# KiCad board CPU.kicad_pcb (continued)
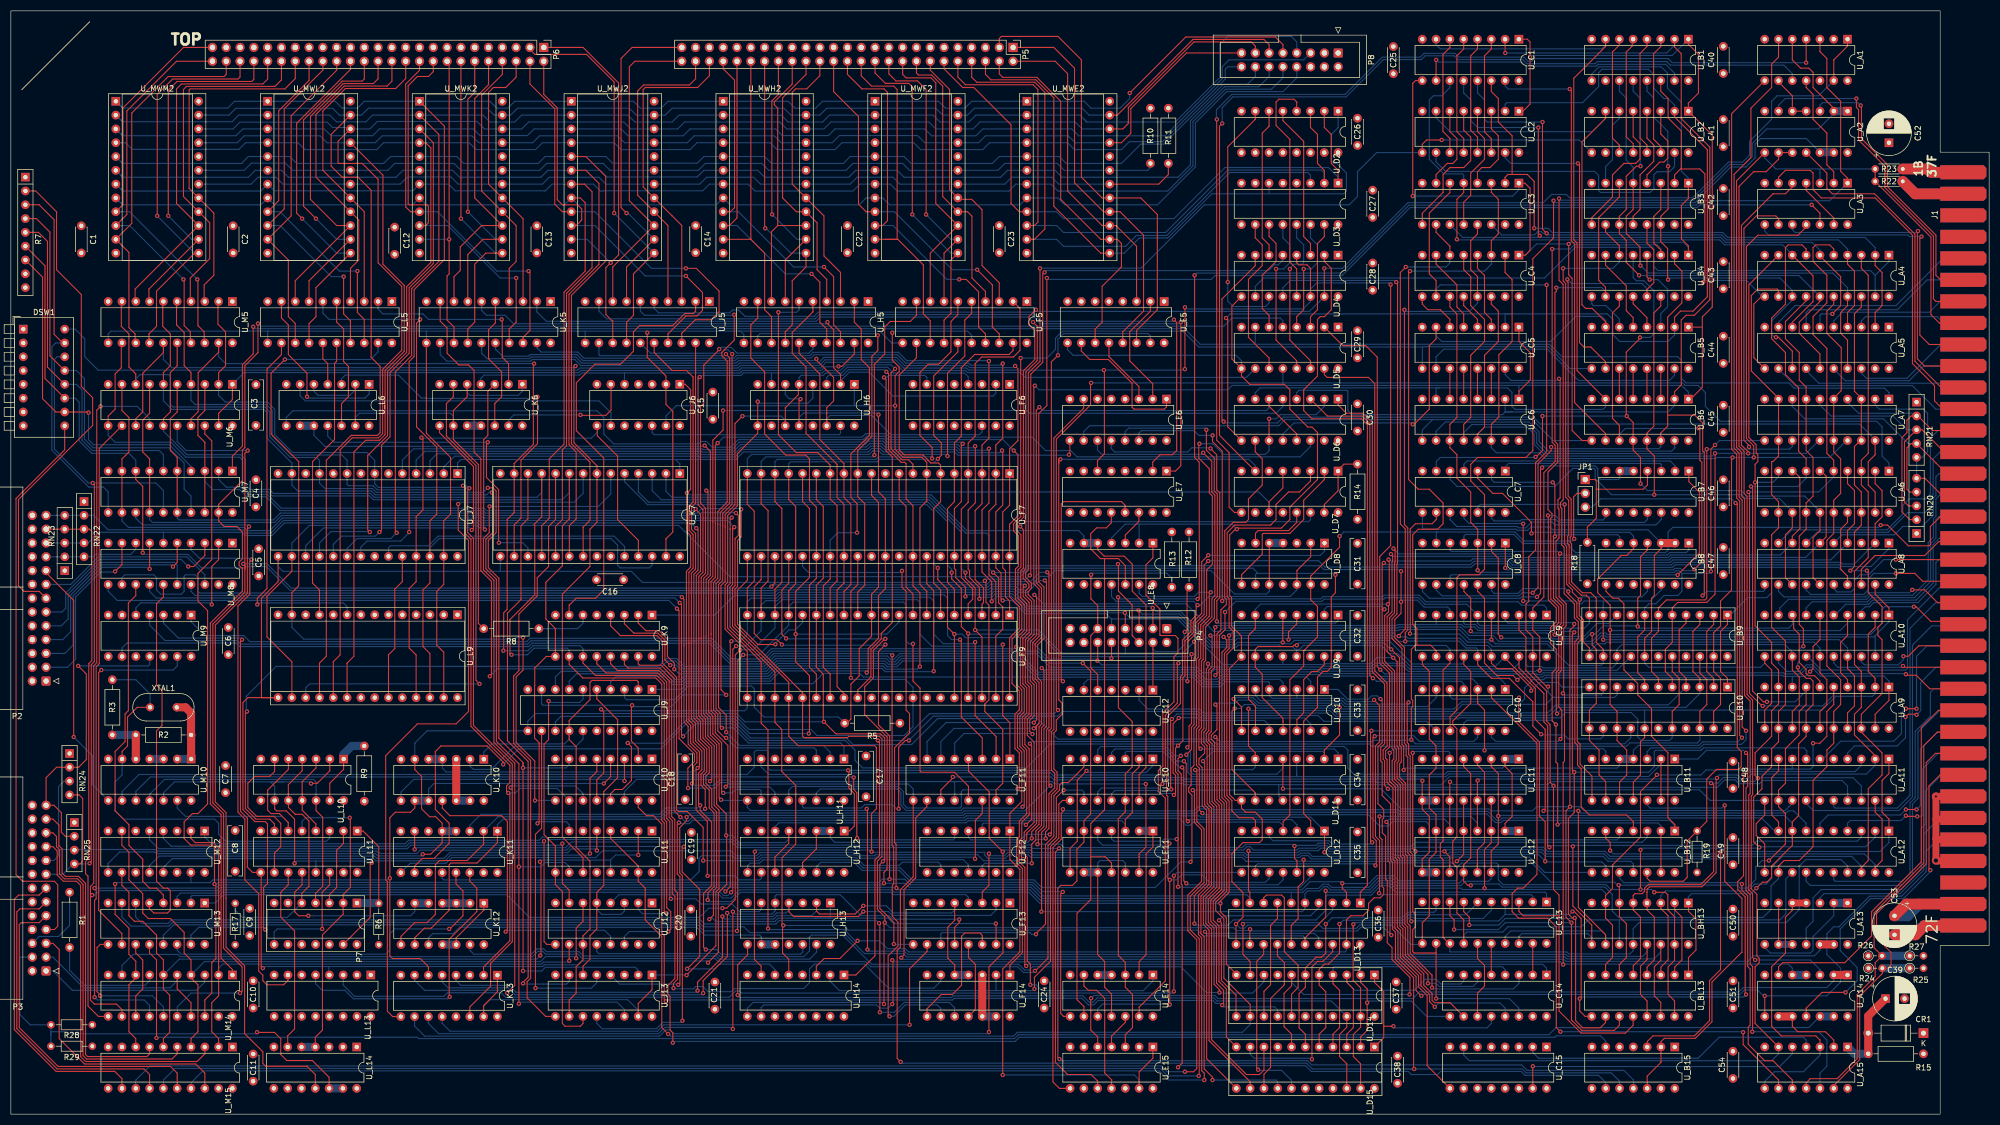
[diagram p0: board, top side]
## Routing (per net, layer and track width the routed paths; a pad name or vN(x,y) marks a point on that pad's centre or on a via; arc(x,y) is an arc through that point) (continued)
MW.A6_{2}: length 158.3
  Top w0.2: v1(184.79,137.66) 185.3,137.15 185.3,123.94 183.77,122.41 U_F7.1 183.77,112.07 183.77,112.06 182.5,110.8 182.5,100.51 183.01,100 183.01,95.17 183.77,94.42 U_F9.1
  Bottom w0.2: v1(184.79,137.66) 184.49,137.36 176.41,137.36 176.03,137.74 164.47,137.74 162.96,139.24 149.61,139.24 148.58,138.21 134.07,138.21 133.59,137.73 104.88,137.73 103.76,138.85 95.96,138.85 95.66,138.55 80.19,138.55 78.99,139.75 U_K5.12
MW.A6_{3}: length 111.7
  Top w0.2: 150.12,126.8 150.12,129.97 151.39,131.24 151.39,135.56 148.21,138.74 v1(148.21,138.97)
  Bottom w0.2: U_H6.14 150.11,127.94 150.73,128.56 158.39,128.56 161.93,125.02 178.18,125.02 178.69,125.52 178.69,126.66 ; v1(148.21,138.97) 147.91,138.67 133.88,138.67 133.41,138.19 105.06,138.19 103.95,139.31 95.77,139.31 95.47,139.01 87.61,139.01 86.61,140.01 U_K5.15
MW.A6_{4}: length 111.1
  Top w0.2: v1(150.24,145.73) 150.24,145.47 151.39,144.32 151.39,137.34 152.66,136.07 152.66,134.42
  Bottom w0.2: v1(150.24,145.73) 149.94,145.43 92.49,145.43 90.94,146.99 87.51,146.99 86.61,147.88 U_K5.6 ; 152.65,134.9 154.27,136.52 157.92,136.52 162.31,132.13 180.72,132.13 181.23,132.63 181.23,133.78
MW.A6_{5}: length 232.5
  Top w0.2: v1(88.13,80.57) 88.43,80.87 88.43,98.03 86.47,99.99 86.47,120.59 85.22,121.84 85.22,136.83 84.2,137.85 82.43,137.85 80.27,140.01 80.27,144.64 78.99,145.91 U_K5.9
  Bottom w0.2: U_D10.2 239.17,79.66 238.37,80.46 223.03,80.46 222.13,79.55 219.65,79.55 217.89,81.31 189.01,81.31 186.04,84.29 163.74,84.29 162.68,83.23 161.68,83.23 161.08,83.83 140.71,83.83 138.81,81.94 123.74,81.94 122.31,83.36 121.65,83.36 121.65,83.37 120.79,83.37 119.36,81.94 89.5,81.94 v1(88.13,80.57)
MW.A6_{6}: length 24.9
  Top w0.2: U_K5.5 89.15,145.59 87.89,144.33 87.89,138.98 90.3,136.58 90.3,132 89.03,130.73 89.03,130.73 U_K6.12
MW.A6_{7}: length 315.8
  Top w0.2: v1(186.82,27.27) 186.57,27.53 186.57,45.39 185.51,46.44 185.51,50.3 186,50.79 186,53.71 187.37,55.07 187.37,67.22 186.57,68.02 186.57,72.84 187.37,73.64 187.37,78.65 186.66,79.36 186.66,87.3 187.82,88.46 187.82,94.34 186.72,95.44 186.72,96.32 187.32,96.92 187.32,97.54 186.27,98.6 186.27,99.81 186.76,100.3 186.76,136.57 188.85,138.66 188.85,144.97 v1(188.09,145.73)
  Bottom w0.2: v1(186.82,27.27) 187.12,27.57 281.85,27.57 282.56,26.86 U_C14.1 ; U_K5.2 96.77,147.63 98.52,145.88 148.18,145.88 148.96,146.66 187.15,146.66 188.08,145.73 v1(188.09,145.73)
MW.B5_{0}: length 59.3
  Top w0.2: U_F9.5 173.61,96.58 172.34,97.84 172.34,111.43 173.61,112.7 173.61,112.7 U_F7.5 173.61,123.49 174.88,124.77 174.88,137.34 177.32,139.77 183.67,139.77 184.4,140.51 U_F5.19
MW.B5_{1}: length 123.4
  Top w0.2: v1(162.18,143.77) 162.18,138.74 163.45,137.47 163.45,136.64 162.7,135.89 v1(162.7,130.35) 162.69,130.34 162.69,122.34 164.19,120.85 167.62,120.85 168.3,120.16 168.3,120.13 168.53,119.91 U_F7.7 168.53,112.83 168.53,112.83 167.26,111.56 167.26,97.46 168.53,96.19 U_F9.7
  Bottom w0.2: 155.2,130.35 122.43,130.35 120.54,128.46 U_J6.13 ; 155.2,130.35 155.2,130.73 155.19,130.73 U_H6.1 ; 155.2,130.35 v1(162.7,130.35) ; U_F5.16 176.78,143.31 176.03,144.07 162.44,144.07 162.44,144.02 v1(162.18,143.77)
MW.B5_{2}: length 58.4
  Top w0.2: U_F9.6 171.07,96.45 169.8,97.71 169.8,111.43 171.07,112.7 171.07,112.7 U_F7.6 171.07,119.44 170.69,119.81 169.27,119.81 168.76,120.32 168.76,120.35 167.81,121.3 164.38,121.3 163.45,122.22 163.45,136 166.62,139.17 U_F5.12
MW.B5_{3}: length 322
  Top w0.2: v1(165.99,86.54) 165.99,79.68 167.29,78.39 167.29,63.15 167.52,62.92 173.61,62.92 176.2,60.33 U_F11.13 ; v1(133.6,33.71) 133.73,33.84 133.73,83.49 v1(134.75,84.51) ; U_F7.17 143.13,113.09 144.4,111.81 144.4,97.59 143.13,96.31 U_F9.17 ; U_F5.15 174.24,140.26 169.8,135.81 169.8,124.89 171.2,123.5 171.2,121.21 v1(170.56,120.57)
  Bottom w0.2: v1(133.6,33.71) 127.52,33.71 126.39,34.83 29.96,34.83 28.05,32.92 U_M13.13 ; U_F7.17 143.13,119.68 143.47,120.03 159.37,120.03 159.82,120.48 168.63,120.48 168.76,120.35 168.76,120.32 169.2,119.88 169.87,119.88 v1(170.56,120.57) ; v1(134.75,84.51) 137.67,84.51 143.13,89.96 U_F9.17 143.13,93.39 143.94,94.21 164.23,94.21 164.72,93.72 164.72,87.05 165.23,86.54 v1(165.99,86.54)
MW.B5_{4}: length 323.3
  Top w0.2: v1(134.19,85.4) 133.28,84.49 133.28,39.47 131.71,37.91 v1(130.93,37.91) ; U_F11.1 183.82,72.01 182.5,73.33 v1(182.5,86.4) ; U_F5.6 174.24,147.11 172.98,145.85 172.98,140.26 170.69,137.97 168.79,137.97 167.26,136.45 167.26,124.89 169.51,122.64 v1(169.51,120.63) ; U_F9.18 140.59,96.57 141.86,97.84 141.86,111.43 140.59,112.7 U_F7.18
  Bottom w0.2: v1(130.93,37.91) 128.41,37.91 126.69,36.19 95.43,36.19 91.25,40.37 39.14,40.37 37.61,38.85 U_M13.1 ; v1(182.5,86.4) 182.2,86.1 169.47,86.1 167.26,88.32 167.26,94.16 166.76,94.66 141.88,94.66 140.59,93.37 U_F9.18 140.59,89.45 136.59,85.46 134.25,85.46 v1(134.19,85.4) ; v1(169.51,120.63) 169.21,120.93 159.63,120.93 159.18,120.48 141,120.48 140.59,120.06 U_F7.18
MW.B5_{5}: length 312.2
  Top w0.2: v1(177.42,86.86) 177.42,73.33 181.28,69.47 181.28,65.34 ; v1(132.53,40.82) 132.83,41.12 132.83,85.52 v1(133.45,86.14) ; U_F7.19 138.05,112.32 139.32,111.05 139.32,98.09 138.05,96.82 U_F9.19 ; U_F5.9 166.62,146.99 165.48,145.85 161.8,145.85 160.78,144.83 160.78,139.88 158.88,137.97 158.88,121.26 v1(158.89,121.26)
  Bottom w0.2: U_M13.2 33.12,40.03 33.32,40.23 38.35,40.23 38.95,40.83 130.55,40.83 131.15,40.23 131.94,40.23 v1(132.53,40.82) ; U_F7.19 138.05,120.06 138.92,120.93 158.57,120.93 v1(158.89,121.26) ; v1(133.45,86.14) 133.87,86.14 133.88,86.15 134.5,86.15 134.51,86.14 135.24,86.14 138.05,88.95 U_F9.19 138.05,93.65 138.89,94.49 141.06,94.49 141.69,95.12 169.1,95.12 169.8,94.41 169.8,88.32 171.56,86.56 177.19,86.56 177.42,86.79 v1(177.42,86.86)
MW.B5_{6}: length 327.4
  Top w0.2: v1(131.49,40.98) 132.37,41.87 132.37,86.83 v1(132.57,87.02) ; U_F5.5 176.78,147.37 175.52,146.1 175.52,139.5 172.34,136.32 v1(172.34,121.09) ; v1(174.63,87.31) 174.88,87.06 174.88,73.08 178.74,69.22 U_F11.3 ; U_F9.20 135.51,96.82 136.78,98.09 136.78,110.92 135.51,112.2 U_F7.20
  Bottom w0.2: v1(132.57,87.02) 134.22,87.02 135.51,88.31 U_F9.20 135.51,94.28 136.17,94.94 140.87,94.94 141.5,95.57 171.69,95.57 172.34,94.92 172.34,88.06 173.09,87.31 v1(174.63,87.31) ; v1(131.49,40.98) 131.49,41.03 131.24,41.28 38.76,41.28 38.16,40.68 31.23,40.68 30.59,40.03 U_M13.3 ; U_F7.20 135.51,120.62 136.27,121.39 157.94,121.39 158.56,122.01 159.72,122.01 160.35,121.39 172.04,121.39 v1(172.34,121.09)
MW.B5_{7}: length 67.3
  Top w0.2: U_F5.2 185.68,148.25 185.68,140.51 184.48,139.32 178.64,139.32 177.42,138.1 177.42,124.77 176.15,123.49 U_F7.4 176.15,112.58 176.15,112.57 174.88,111.3 174.88,98.72 176.97,96.64 176.97,94.73 176.15,93.91 U_F9.4
MW.C4_{0}: length 75.7
  Top w0.2: v1(152.28,137.58) 152.9,137.58 155.19,139.88 U_H5.19
  Bottom w0.2: v1(152.28,137.58) 152.21,137.51 149.8,137.51 149.14,136.85 134.63,136.85 134.37,136.58 134.37,136.58 134.16,136.37 112.96,136.37 112.91,136.32 112.91,134.36 ; 86.5,134.29 86.5,135.42 87.06,135.98 104.67,135.98 105.06,136.37 112.95,136.37
MW.C4_{1}: length 196.9
  Top w0.2: U_K13.1 89.52,22.51 86.98,19.97 86.98,17.95 ; v1(130.33,140.76) 130.33,140.67 127.49,137.83 127.49,130.8 126.89,130.2 126.89,112.4 127.8,111.5 127.8,99.53 127.03,98.75 127.03,87.6 127.03,87.6 127.03,73.45 127.8,72.67 127.8,69.4 129.41,67.79 129.41,56.82 130.31,55.92 130.31,41.51 129.72,40.93 129.72,30.97 v1(124.33,25.58) ; U_J13.1 117.97,22.9 115.43,20.36 U_J13.15
  Bottom w0.2: U_H5.16 147.57,140.76 146.84,140.03 133.61,140.03 132.54,141.09 130.67,141.09 v1(130.33,140.76) ; 86.98,17.95 86.98,19.85 88.19,21.06 113.49,21.06 115.43,19.12 U_J13.15 ; U_J13.1 124.3,25.6 v1(124.33,25.58)
MW.C4_{2}: length 78.1
  Top w0.2: U_F9.12 155.83,96.06 157.1,97.33 157.1,112.32 155.83,113.59 U_F7.12 155.83,122.09 158.43,124.69 158.43,139.42 159.51,140.51 v1(159.51,143.32)
  Bottom w0.2: v1(159.51,143.32) 159.64,143.44 159.64,143.62 137.85,143.62 137.41,143.18 U_H5.12
MW.C4_{3}: length 54.5
  Top w0.2: U_F9.13 153.29,96.19 154.56,97.46 154.56,112.19 153.29,113.47 U_F7.13 153.29,119.69 148.85,124.13 148.85,136.19 145.03,140.01 U_H5.15
MW.C4_{4}: length 68.5
  Top w0.2: U_F9.14 150.75,96.82 152.02,98.09 152.02,111.94 150.75,113.21 U_F7.14 150.75,119.44 148.47,121.72 144.53,121.72 141.23,125.02 v1(141.23,147.55)
  Bottom w0.2: U_H5.6 145.03,148.01 145.04,148.01 144.58,147.55 v1(141.23,147.55)
MW.C4_{5}: length 81.7
  Top w0.2: U_H5.9 137.41,146.49 136.15,145.22 136.15,139.12 138.69,136.58 138.69,125.15 142.57,121.26 146.25,121.26 146.94,120.57 146.94,112.95 148.21,111.69 U_F7.26 148.21,98.61 148.21,98.6 146.94,97.33 146.94,82.22 148.21,80.96 U_F9.26
MW.C4_{6}: length 79.5
  Top w0.2: U_H5.5 147.57,147.63 147.58,147.62 143.77,143.81 143.77,140 146.31,137.47 146.31,125.27 152.02,119.56 152.02,113.46 153.29,112.2 U_F7.28 153.29,97.72 153.29,97.71 152.02,96.44 152.02,78.66 153.29,77.4 U_F9.28
MW.C4_{7}: length 81.2
  Top w0.2: v1(155.71,106.98) 155.71,112.32 154.56,113.46 154.56,121.47 157.97,124.88 157.97,137.36 156.47,138.86 156.47,144.45 155.19,145.72 U_H5.2 ; U_F9.27 150.75,80.96 149.48,82.22 149.48,97.21 150.75,98.47 U_F7.27
  Bottom w0.2: U_F7.27 150.75,105.58 152.15,106.98 v1(155.71,106.98)
MW.D3_{0}: length 151.6
  Top w0.2: v1(94.24,87.69) 94.24,81.71 92.97,80.44 92.97,68.39 96.4,64.96 96.4,57.76 v1(96.44,57.71) ; v1(50.42,138.86) 47.88,136.32 47.88,125.15 52.96,120.07 52.96,97.21 51.71,95.95 U_L9.13
  Bottom w0.2: U_L5.19 67.56,140.26 66.17,138.86 v1(50.42,138.86) ; v1(96.44,57.71) 96.45,57.72 U_J10.9 ; U_L9.13 51.71,89.6 51.69,89.59 53.89,87.39 92.68,87.39 92.98,87.69 v1(94.24,87.69)
MW.D3_{1}: length 52.4
  Top w0.2: U_L9.11 56.79,96.43 55.5,97.71 55.5,120.07 59.55,124.12 59.55,138.14 59.94,138.53 U_L5.16
MW.D3_{2}: length 68.4
  Top w0.2: U_L5.12 49.78,139.75 47.12,137.08 47.12,96.7 45.34,94.92 v1(45.34,93.77)
  Bottom w0.2: v1(45.34,93.77) 45.64,94.07 61.18,94.07 61.87,93.38 61.87,91.88
MW.D3_{3}: length 8
  Top w0.2: U_L5.15 57.4,138.99 58.3,138.09 U_L6.4
MW.D3_{4}: length 142.9
  Top w0.2: U_L9.26 77.11,84.75 75.82,86.03 75.82,96.44 77.11,97.73 U_J7.26 77.11,109.16 78.36,110.41 78.36,122.73 74.64,126.44 74.64,145.55 v1(75.31,146.22)
  Bottom w0.2: U_L5.6 57.4,147.37 58.55,146.23 75.31,146.23 v1(75.31,146.22) ; U_J7.26 77.11,104.21 78.8,105.9 110.44,105.9 111.64,104.7 111.64,101.02 112.14,100.51 117.48,100.51 118,101.03 U_K7.26
MW.D3_{5}: length 33.1
  Top w0.2: v1(54.49,132) 54.49,136.33 51.06,139.75 51.06,145.21 49.78,146.49 U_L5.9
  Bottom w0.2: v1(54.49,132) 54.74,131.75 65.15,131.75 65.92,132.52 U_L6.1
MW.D3_{6}: length 24.3
  Top w0.2: U_L5.5 59.94,145.72 61.22,144.45 61.22,138.48 62.11,137.59 62.11,132 60.84,130.74 60.84,126.66
MW.D3_{7}: length 37.4
  Top w0.2: 91.58,134.29 91.58,138.09 90.41,139.26 90.41,146.12 v1(90.3,146.23)
  Bottom w0.2: v1(90.3,146.23) 76.84,146.23 75.82,147.24 68.46,147.24 67.56,148.14 U_L5.2
MW.E2_{0}: length 224.4
  Top w0.2: 105.27,84.21 105.27,83 107.55,80.72 118.84,80.72 120.22,79.34 120.22,54.22 120.67,53.77 120.67,37.98 121.41,37.24 121.41,34.04 v1(120.97,33.6) ; v1(96.27,138.1) 96.14,137.97 96.14,123.25 92.6,119.71 U_K7.13 92.6,110.68 91.32,109.4 91.32,92.89 90.68,92.25 90.68,85.27 90.67,85.28 v1(90.62,85.28) ; U_M6.17 33.15,127.94 34.46,129.25 34.46,136.43 38.23,140.19 U_M5.19
  Bottom w0.2: v1(120.97,33.6) 113.81,33.6 112.89,32.68 U_J12.14 ; U_M5.19 38.23,139.38 39.5,138.1 v1(96.27,138.1) ; 105.27,84.21 105.27,85.66 104.74,86.19 96.07,86.19 95.16,85.28 v1(90.62,85.28)
MW.E2_{1}: length 216.4
  Top w0.2: U_K7.11 97.68,109.92 96.27,108.51 96.4,108.38 96.4,95.56 91.82,90.99 91.82,84.63 91.93,84.52 v1(92.12,84.52) ; v1(120.64,36.95) 120.22,37.37 120.22,53.58 119.76,54.03 119.76,79.15 118.65,80.26 105.21,80.26 102.73,82.74 U_K9.10 ; U_M6.15 28.06,127.94 29.34,129.21 29.34,136.45 30.6,137.71 30.6,141.91
  Bottom w0.2: U_J12.2 115.43,37.66 116.21,36.88 120.58,36.88 v1(120.64,36.95) ; U_K7.11 97.68,114.37 96.82,113.5 66.86,113.5 66.16,114.2 48.3,114.2 47.56,114.95 43.99,114.95 43.13,115.81 43.13,120.5 42.29,121.34 32.39,121.34 28.06,125.66 U_M6.15 ; U_K9.10 102.73,85.37 102.36,85.74 96.26,85.74 95.04,84.52 v1(92.12,84.52)
MW.E2_{2}: length 191.8
  Top w0.2: 20.32,141.9 20.32,137.34 19.18,136.19 19.18,129.72 17.91,128.44 U_M6.11 ; U_K7.9 102.76,109.54 101.48,108.25 101.48,100.89 98.43,97.84 98.43,91.11 100.19,89.35 U_K9.9 98.51,84.21 96.4,82.09 96.4,78.92 96.36,78.88 96.36,69.18 97.2,68.34 97.2,53.81 v1(96.9,53.51)
  Bottom w0.2: U_M6.11 17.91,124.9 19.18,123.62 29.46,123.62 32.2,120.88 42.09,120.88 42.67,120.3 42.67,115.62 43.8,114.5 47.37,114.5 48.12,113.75 65.97,113.75 66.67,113.05 101.45,113.05 102.76,114.37 U_K7.9 ; v1(96.9,53.51) 97.2,53.81 102.2,53.81 102.73,53.28 U_J11.7
MW.E2_{3}: length 196.2
  Top w0.2: v1(103.9,137.65) 103.6,137.35 103.6,123.54 107.84,119.3 U_K7.7 107.84,108.91 106.56,107.62 106.56,100.76 101.48,95.68 101.48,50.98 105.27,47.18 105.27,44.47 ; U_M5.15 28.06,140.13 24.26,136.32 24.26,129.21 22.98,127.94 U_M6.13
  Bottom w0.2: U_M5.15 28.06,138.87 29.59,137.35 103.6,137.35 v1(103.9,137.65)
MW.E2_{4}: length 222.1
  Top w0.2: 27.94,149.52 27.94,144.96 29.34,143.56 29.34,137.72 28.06,136.44 U_M6.6 ; v1(88.53,114.35) 88.83,114.05 88.83,107.17 87.4,105.74 87.4,100.35 89.34,98.41 89.34,68.6 93.47,64.46 v1(93.47,45.52) v1(93.47,20.31)
  Bottom w0.2: U_J11.10 102.73,45.53 101.97,46.3 98.32,46.3 97.54,45.52 v1(93.47,45.52) ; 46.61,129.6 47.12,129.09 47.12,124.38 51.71,119.8 U_J7.13 51.71,115.73 52.78,114.66 66.35,114.66 67.05,113.96 87.55,113.96 88.23,114.65 v1(88.53,114.35) ; v1(93.47,20.31) 93.77,20.61 111.53,20.61 112.89,19.24 U_J13.14 ; U_M6.6 28.06,131.25 29.65,129.66 46.56,129.66
MW.E2_{5}: length 226.6
  Top w0.2: 20.32,149.52 20.32,144.96 21.72,143.56 21.72,137.47 22.98,136.2 U_M6.8 ; 94.24,64.69 89.79,69.14 89.79,98.6 87.85,100.54 87.85,105.55 89.28,106.98 89.28,114.66 88.71,115.24 v1(87.76,115.24) ; 94.24,64.69 94.24,26.35 v1(94.23,26.34) ; 94.24,64.69 v1(94.24,63.71)
  Bottom w0.2: U_J13.2 115.43,26.48 114.89,27.03 98.35,27.03 97.67,26.34 v1(94.23,26.34) ; U_M6.8 22.98,135.3 23.75,136.07 29.09,136.07 29.34,135.81 29.34,130.61 29.84,130.12 46.75,130.12 47.64,129.23 47.64,124.65 51.45,120.83 56.26,120.83 56.79,120.31 U_J7.11 56.79,116.11 57.79,115.11 66.54,115.11 67.24,114.41 86.93,114.41 v1(87.76,115.24) ; v1(94.24,63.71) 102.14,63.71 102.73,64.3 U_J10.7
MW.E2_{6}: length 202.8
  Top w0.2: 30.48,149.52 30.48,145.22 31.88,143.82 31.88,137.72 33.15,136.45 U_M6.4 ; U_K13.14 84.44,19.72 88.27,23.55 88.27,27.73 92.26,31.72 92.26,59.78 v1(91.96,60.08) 92.26,60.38 92.26,64.39 85.11,71.54 85.11,105.95 84.06,107 84.06,114.87 v1(84.36,115.17)
  Bottom w0.2: U_M6.4 33.15,131.34 33.91,130.57 47.03,130.57 48.09,129.51 48.09,124.83 51.64,121.28 60.89,121.28 61.87,120.31 61.87,115.86 62.11,115.62 66.67,115.62 67.42,114.87 83.5,114.87 83.94,115.31 83.94,115.58 v1(84.36,115.17) ; v1(91.96,60.08) 92.26,60.38 103.88,60.38 105.27,58.99 105.27,57.72
MW.E2_{7}: length 184.4
  Top w0.2: v1(83.19,115.62) 83.6,115.2 83.6,106.82 84.66,105.76 84.66,71.35 91.81,64.21 91.81,61 91.21,60.4 91.21,59.41 v1(91.51,59.11) 91.57,59.11 91.81,58.87 91.81,31.91 86.98,27.09 86.98,25.57 ; U_M6.2 38.23,136.44 39.5,137.72 39.5,143.94 38.1,145.34 38.1,149.52
  Bottom w0.2: U_M6.2 38.23,132.26 39.46,131.03 47.22,131.03 48.54,129.7 48.54,125.02 51.83,121.74 65.52,121.74 66.95,120.31 U_J7.7 66.95,115.99 67.61,115.32 82.89,115.32 v1(83.19,115.62) ; U_J10.10 100.52,59.93 93.66,59.93 92.84,59.11 v1(91.51,59.11)
MW.F1_{0}: length 162.2
  Top w0.2: 86.98,52.06 86.98,49.72 87,49.71 83.95,46.66 78.87,46.66 78.11,45.9 78.11,36.75 76.58,35.23 74.3,35.23 71.78,32.72 U_K12.8 ; U_J5.19 125.98,112.44 125.24,111.7 125.24,107.59 125.98,106.85 125.98,100.28 125.21,99.5 125.21,86.85 125.21,86.85 125.21,72.69 125.99,71.92 125.99,68.65 127.59,67.04 127.59,63.18 126.98,62.57 126.98,60.51 127.76,59.73 127.76,56.19 v1(127.75,56.18)
  Bottom w0.2: v1(127.75,56.18) 127.45,55.88 120.73,55.88 119.57,54.72 89.64,54.72 86.98,52.06
MW.F1_{1}: length 184.9
  Top w0.2: U_J5.16 118.36,140.13 121.67,136.83 124.34,136.83 125.53,135.64 125.53,112.63 124.79,111.89 124.79,107.4 125.53,106.66 125.53,100.47 124.75,99.69 124.75,86.66 124.76,86.66 124.76,72.51 125.53,71.73 125.53,68.46 127.14,66.85 127.14,63.37 126.53,62.76 126.53,57.12 v1(126.83,56.82) 126.83,55.85 128.94,53.74 128.94,42.07 127.45,40.58 127.45,30.7 v1(127.86,30.29)
  Bottom w0.2: U_H13.12 145.71,29.84 145.29,29.43 130.68,29.43 129.82,30.29 v1(127.86,30.29) ; U_K11.3 84.44,53.12 86.49,55.17 119.38,55.17 120.54,56.33 126.34,56.33 v1(126.83,56.82)
MW.F1_{2}: length 122.5
  Top w0.2: v1(131.57,139.85) 132.25,139.17 132.25,112.43 130.53,110.7 130.53,108.42 130.52,108.42 130.52,98.4 129.75,97.63 129.75,74.57 130.52,73.8 130.52,71.37 v1(130.82,71.07)
  Bottom w0.2: v1(131.57,139.85) 131.28,139.55 108.41,139.55 108.2,139.75 U_J5.12 ; U_H11.1 153.29,67.67 152.66,68.3 135.71,68.3 132.95,71.07 v1(130.82,71.07)
MW.F1_{3}: length 111.4
  Top w0.2: v1(132.72,139.85) 132.71,139.84 132.71,112.24 130.98,110.51 130.98,108.23 130.98,108.23 130.98,98.21 130.21,97.44 130.21,74.83 131.62,73.41 v1(131.62,70.28)
  Bottom w0.2: v1(131.62,70.28) 134.05,67.85 149.5,67.85 150.75,66.6 U_H11.2 ; U_J5.15 117.72,140 130.66,140 131.3,140.64 131.93,140.64 v1(132.72,139.85)
MW.F1_{4}: length 119.9
  Top w0.2: v1(133.1,147.09) 133.1,142.42 131.29,140.6 131.26,140.6 130.81,140.15 130.81,139.55 131.8,138.56 131.8,112.61 130.07,110.89 130.07,108.61 130.07,108.6 130.07,98.59 129.3,97.82 129.3,74.39 130.07,73.61 130.07,70.52 131.36,69.22 v1(131.61,69.22)
  Bottom w0.2: v1(131.61,69.22) 131.62,69.22 133.44,67.4 147.8,67.4 148.21,66.99 U_H11.3 ; U_J5.6 115.82,147.75 116.59,146.99 133,146.99 v1(133.1,147.09)
MW.F1_{5}: length 140
  Top w0.2: U_E7.1 214.28,118.32 215.27,119.3 v1(215.27,145.73)
  Bottom w0.2: v1(215.27,145.73) 214.97,145.43 189.46,145.43 187.77,147.12 148.77,147.12 147.99,146.34 109.62,146.34 108.2,147.75 U_J5.9
MW.F1_{6}: length 130.3
  Top w0.2: v1(214,146.18) 214.51,145.68 214.51,122.1 213.74,121.34 211.46,121.34 210.1,119.98 U_E7.2
  Bottom w0.2: U_J5.5 118.36,148.26 119.19,147.44 132.28,147.44 132.79,147.95 133.91,147.95 135.07,146.79 147.8,146.79 148.58,147.57 187.96,147.57 189.64,145.88 213.7,145.88 v1(214,146.18)
MW.F1_{7}: length 80.8
  Top w0.2: U_J5.2 125.98,148.14 125.99,148.13 125.99,147.75 125.55,147.32 124.02,147.32 121.78,145.08 115.7,145.08 114.56,143.94 114.56,140.39 112.14,137.97 107.44,137.97 104.05,134.58 104.05,125.74 109.1,120.7 109.1,96.44 107.57,94.92 104.02,94.92 102.76,93.66 102.73,93.66 U_K9.7
MW.H0_{4}: length 25.8
  Top w0.2: U_E6.1 212.64,130.14 212.22,129.72 206.63,129.72 206.3,130.05 206.3,134.49 201.93,138.86 198.5,138.86 196.97,140.4 U_E5.10
MW.H0_{5}: length 21.3
  Top w0.2: 209.66,149.53 209.66,147.74 205.87,143.94 205.87,138.61 210.1,134.38 U_E6.2
MW.H0_{6}: length 12.6
  Top w0.2: 202.04,141.91 202.04,139.38 207.56,133.87 U_E6.3
MW.H0_{7}: length 238.5
  Top w0.2: v1(192.66,139.62) 191.45,138.41 191.45,70.98 191,70.52 191,60.74 v1(191.3,60.44) ; U_K12.9 74.32,32.46 76.08,34.21 77.35,34.21 80.65,37.52 80.65,45.9 80.96,46.21 85.78,46.21 89.54,49.96 89.52,49.98 U_K11.1
  Bottom w0.2: 209.66,141.91 209.66,143.19 209.25,143.62 193.68,143.62 192.66,142.6 v1(192.66,139.62) ; U_K11.1 89.52,53.25 90.53,54.26 119.76,54.26 120.92,55.42 175.02,55.42 175.4,55.8 186.57,55.8 191.2,60.44 v1(191.3,60.44)
MWS.A_{0}: length 311.9
  Top w0.2: U_K7.18 97.68,108.27 99.06,109.65 99.06,120.57 101.78,123.3 101.78,151.23 105.67,155.12 105.67,167.69 104.78,168.58 U_MWJ2.8
  Bottom w0.2: U_MWH2.8 129.79,167.31 104.39,167.31 U_MWJ2.8 101.85,167.31 76.45,167.31 U_MWK2.8 73.91,167.31 48.51,167.31 U_MWL2.8 45.8,167.14 ; P8.8 236.6,190.69 234.05,188.14 223.69,188.14 217.95,182.4 217.95,174.3 210.96,167.31 193.93,167.31 192.66,168.58 U_MWE2.8 185.67,167.31 161.67,167.31 160.4,168.58 U_MWF2.8 157.36,168.58 156.09,167.31 132.34,167.31 131.07,168.58 ; U_MWM2.8 20.58,167.31 45.8,167.31
MWS.A_{1}: length 311.2
  Top w0.2: U_K7.19 100.22,108.14 101.48,109.4 101.48,122.22 102.24,122.99 102.24,151.04 106.94,155.75 106.94,169.72 105.54,171.12 U_MWJ2.7
  Bottom w0.2: P8.10 234.06,190.69 231.97,188.59 223.5,188.59 217.5,182.59 217.5,174.49 212.86,169.85 192.66,169.85 191.39,171.12 U_MWE2.7 184.92,171.12 183.65,169.85 163.07,169.85 161.8,171.12 U_MWF2.7 156.22,171.12 154.95,169.85 136.91,169.85 135.64,171.12 U_MWH2.7 128.53,171.12 127.31,169.9 109.02,169.9 108.97,169.85 108.46,169.85 107.19,171.12 U_MWJ2.7 99.57,171.12 98.3,169.85 98.26,169.9 81.75,169.9 80.52,171.12 U_MWK2.7 73.96,169.9 48.47,169.9 47.25,171.12 ; U_MWL2.7 45.97,169.85 20.58,169.85 U_MWM2.7
MWS.A_{2}: length 311.5
  Top w0.2: U_MWJ2.6 105.79,173.66 108.21,171.24 108.21,156.37 102.69,150.86 102.69,123.17 104.02,121.84 104.02,109.53 102.75,108.25 102.76,108.24 U_K7.20
  Bottom w0.2: P8.12 231.52,190.94 229.63,189.05 223.32,189.05 217.05,182.78 217.05,174.68 214.76,172.39 193.42,172.39 192.15,173.66 U_MWE2.6 183.39,173.66 182.12,172.39 164.34,172.39 163.07,173.66 U_MWF2.6 155.45,173.66 154.18,172.39 138.69,172.39 137.42,173.66 U_MWH2.6 127.51,173.66 126.29,172.44 109.69,172.44 108.46,173.66 U_MWJ2.6 98.81,173.66 97.54,172.39 83.06,172.39 82.81,172.14 81.29,173.66 U_MWK2.6 72.14,173.66 70.87,172.39 51.06,172.39 49.79,173.66 U_MWL2.6 44.96,173.66 43.69,172.38 20.59,172.38 U_MWM2.6
MWS.A_{3}: length 307.1
  Top w0.2: U_K7.21 105.3,107.99 105.29,108 106.56,109.27 106.56,119.95 103.15,123.36 103.15,150.67 109.45,156.97 109.45,172.55 105.79,176.2 U_MWJ2.5
  Bottom w0.2: U_MWM2.5 20.58,174.93 42.59,174.93 ; 42.59,175.1 43.69,176.2 U_MWL2.5 51.31,176.2 52.58,174.93 68.59,174.93 69.86,176.2 U_MWK2.5 82.05,176.2 83.32,174.93 97.03,174.93 98.3,176.2 U_MWJ2.5 109.48,176.2 110.7,174.98 126.29,174.98 127.51,176.2 U_MWH2.5 138.69,176.2 139.96,174.93 153.17,174.93 154.44,176.2 U_MWF2.5 164.34,176.2 165.61,174.93 180.6,174.93 181.87,176.2 U_MWE2.5 192.92,176.2 194.19,174.93 204.35,174.93 207.9,178.49 212.11,178.49 223.13,189.5 227.54,189.5 228.98,190.94 P8.14
MWS.A_{4}: length 312.1
  Top w0.2: v1(66.04,107.1) 65.66,107.48 65.66,121.19 69.31,124.84 69.31,136.65 72.83,140.17 72.83,152.26 77.28,156.7 77.28,177.79 76.33,178.74 U_MWK2.4
  Bottom w0.2: v1(66.04,107.1) 65.96,107.19 58.88,107.19 56.79,105.09 U_J7.18 ; U_MWM2.4 21.09,178.74 22.31,177.52 41.96,177.52 43.19,178.74 U_MWL2.4 52.84,178.74 54.11,177.47 67.32,177.47 68.59,178.74 U_MWK2.4 84.33,178.74 85.6,177.47 96.53,177.47 97.8,178.74 U_MWJ2.4 111,178.74 112.27,177.47 124.97,177.47 126.24,178.74 U_MWH2.4 139.71,178.74 140.98,177.47 151.64,177.47 152.91,178.74 U_MWF2.4 166.12,178.74 167.39,177.47 178.82,177.47 180.09,178.74 U_MWE2.4 194.44,178.74 195.71,177.47 204.35,177.47 205.82,178.94 211.93,178.94 223.46,190.47 223.46,192.26 223.9,192.71 P8.16
MWS.A_{5}: length 325.1
  Top w0.2: U_MWK2.3 77.73,178.74 77.73,156.51 73.28,152.07 73.28,139.98 69.76,136.47 69.76,124.65 68.2,123.09 68.2,107.48 v1(67.82,107.1)
  Bottom w0.2: v1(67.82,107.1) 67.07,106.35 60.84,106.35 59.33,104.84 U_J7.19 ; P8.5 237.88,193.99 224.16,193.99 222.89,192.72 222.89,190.54 212.35,180.01 196.47,180.01 195.2,181.28 U_MWE2.3 178.82,181.28 177.55,180.01 169.42,180.01 168.15,181.28 U_MWF2.3 151.64,181.28 150.42,180.06 141.95,180.06 140.72,181.28 U_MWH2.3 124.97,181.28 123.7,180.01 113.54,180.01 112.27,181.28 U_MWJ2.3 96.27,181.28 95.05,180.06 86.32,180.06 85.1,181.28 U_MWK2.3 67.82,181.28 66.57,180.02 58.92,180.02 57.66,181.28 U_MWL2.3 42.68,181.28 41.42,180.03 20.56,180.03 U_MWM2.3
MWS.A_{6}: length 330.5
  Top w0.2: v1(71,106.98) 70.74,107.24 70.74,136.58 73.74,139.57 73.74,151.88 78.75,156.89 78.75,180.26 U_MWK2.2
  Bottom w0.152: 157.98,183.82 U_MWF2.2
  Bottom w0.2: 157.98,183.82 150.63,183.82 149.36,182.55 143.01,182.55 141.74,183.82 U_MWH2.2 122.94,183.82 121.67,182.55 114.81,182.55 113.54,183.82 U_MWJ2.2 93.99,183.82 92.72,182.55 88.14,182.55 86.87,183.82 U_MWK2.2 ; v1(71,106.98) 69.91,105.9 63.68,105.9 61.87,104.08 61.87,102.63 ; U_MWF2.2 169.68,183.82 170.95,182.55 176.28,182.55 177.55,183.82 U_MWE2.2 196.73,183.82 197.49,183.06 ; 197.49,183.06 197.74,182.8 197.74,182.55 ; 197.49,183.06 198,182.55 214.25,182.55 222.43,190.73 222.43,196.84 223.9,198.31 235.59,198.31 236.6,197.29 P8.7 ; U_MWM2.2 20.52,182.6 40.7,182.6 41.92,183.82 U_MWL2.2 58.68,183.82 59.92,182.58 65.32,182.58 66.55,183.82 74.93,183.82
MWS.A_{7}: length 325.3
  Top w0.2: v1(205.87,187.88) 216.19,198.2 232.65,198.2 234.06,196.78 P8.9 ; v1(73.28,107.1) 73.28,138.47 74.19,139.38 74.19,151.69 79.76,157.26 79.76,181.79 75.19,186.36
  Bottom w0.2: U_MWM2.1 20.55,185.12 39.91,185.12 41.15,186.36 U_MWL2.1 59.7,186.36 60.95,185.1 63.77,185.1 65.03,186.36 U_MWK2.1 88.14,186.36 89.41,185.09 91.45,185.09 92.72,186.36 U_MWJ2.1 ; U_J7.21 64.41,104.33 65.52,105.44 71.74,105.44 73.28,106.98 v1(73.28,107.1) ; 103.13,186.36 114.56,186.36 115.83,185.09 119.64,185.09 120.91,186.36 U_MWH2.1 143.01,186.36 144.28,185.09 148.09,185.09 149.36,186.36 159.01,186.36 ; U_MWF2.1 170.69,186.36 171.96,185.09 175.52,185.09 176.79,186.36 U_MWE2.1 197.49,186.36 198.76,185.09 204.09,185.09 205.87,186.87 v1(205.87,187.88)
